# Altium PCB touch-2ch-v4.PcbDoc (part 3 of 8) (continued)
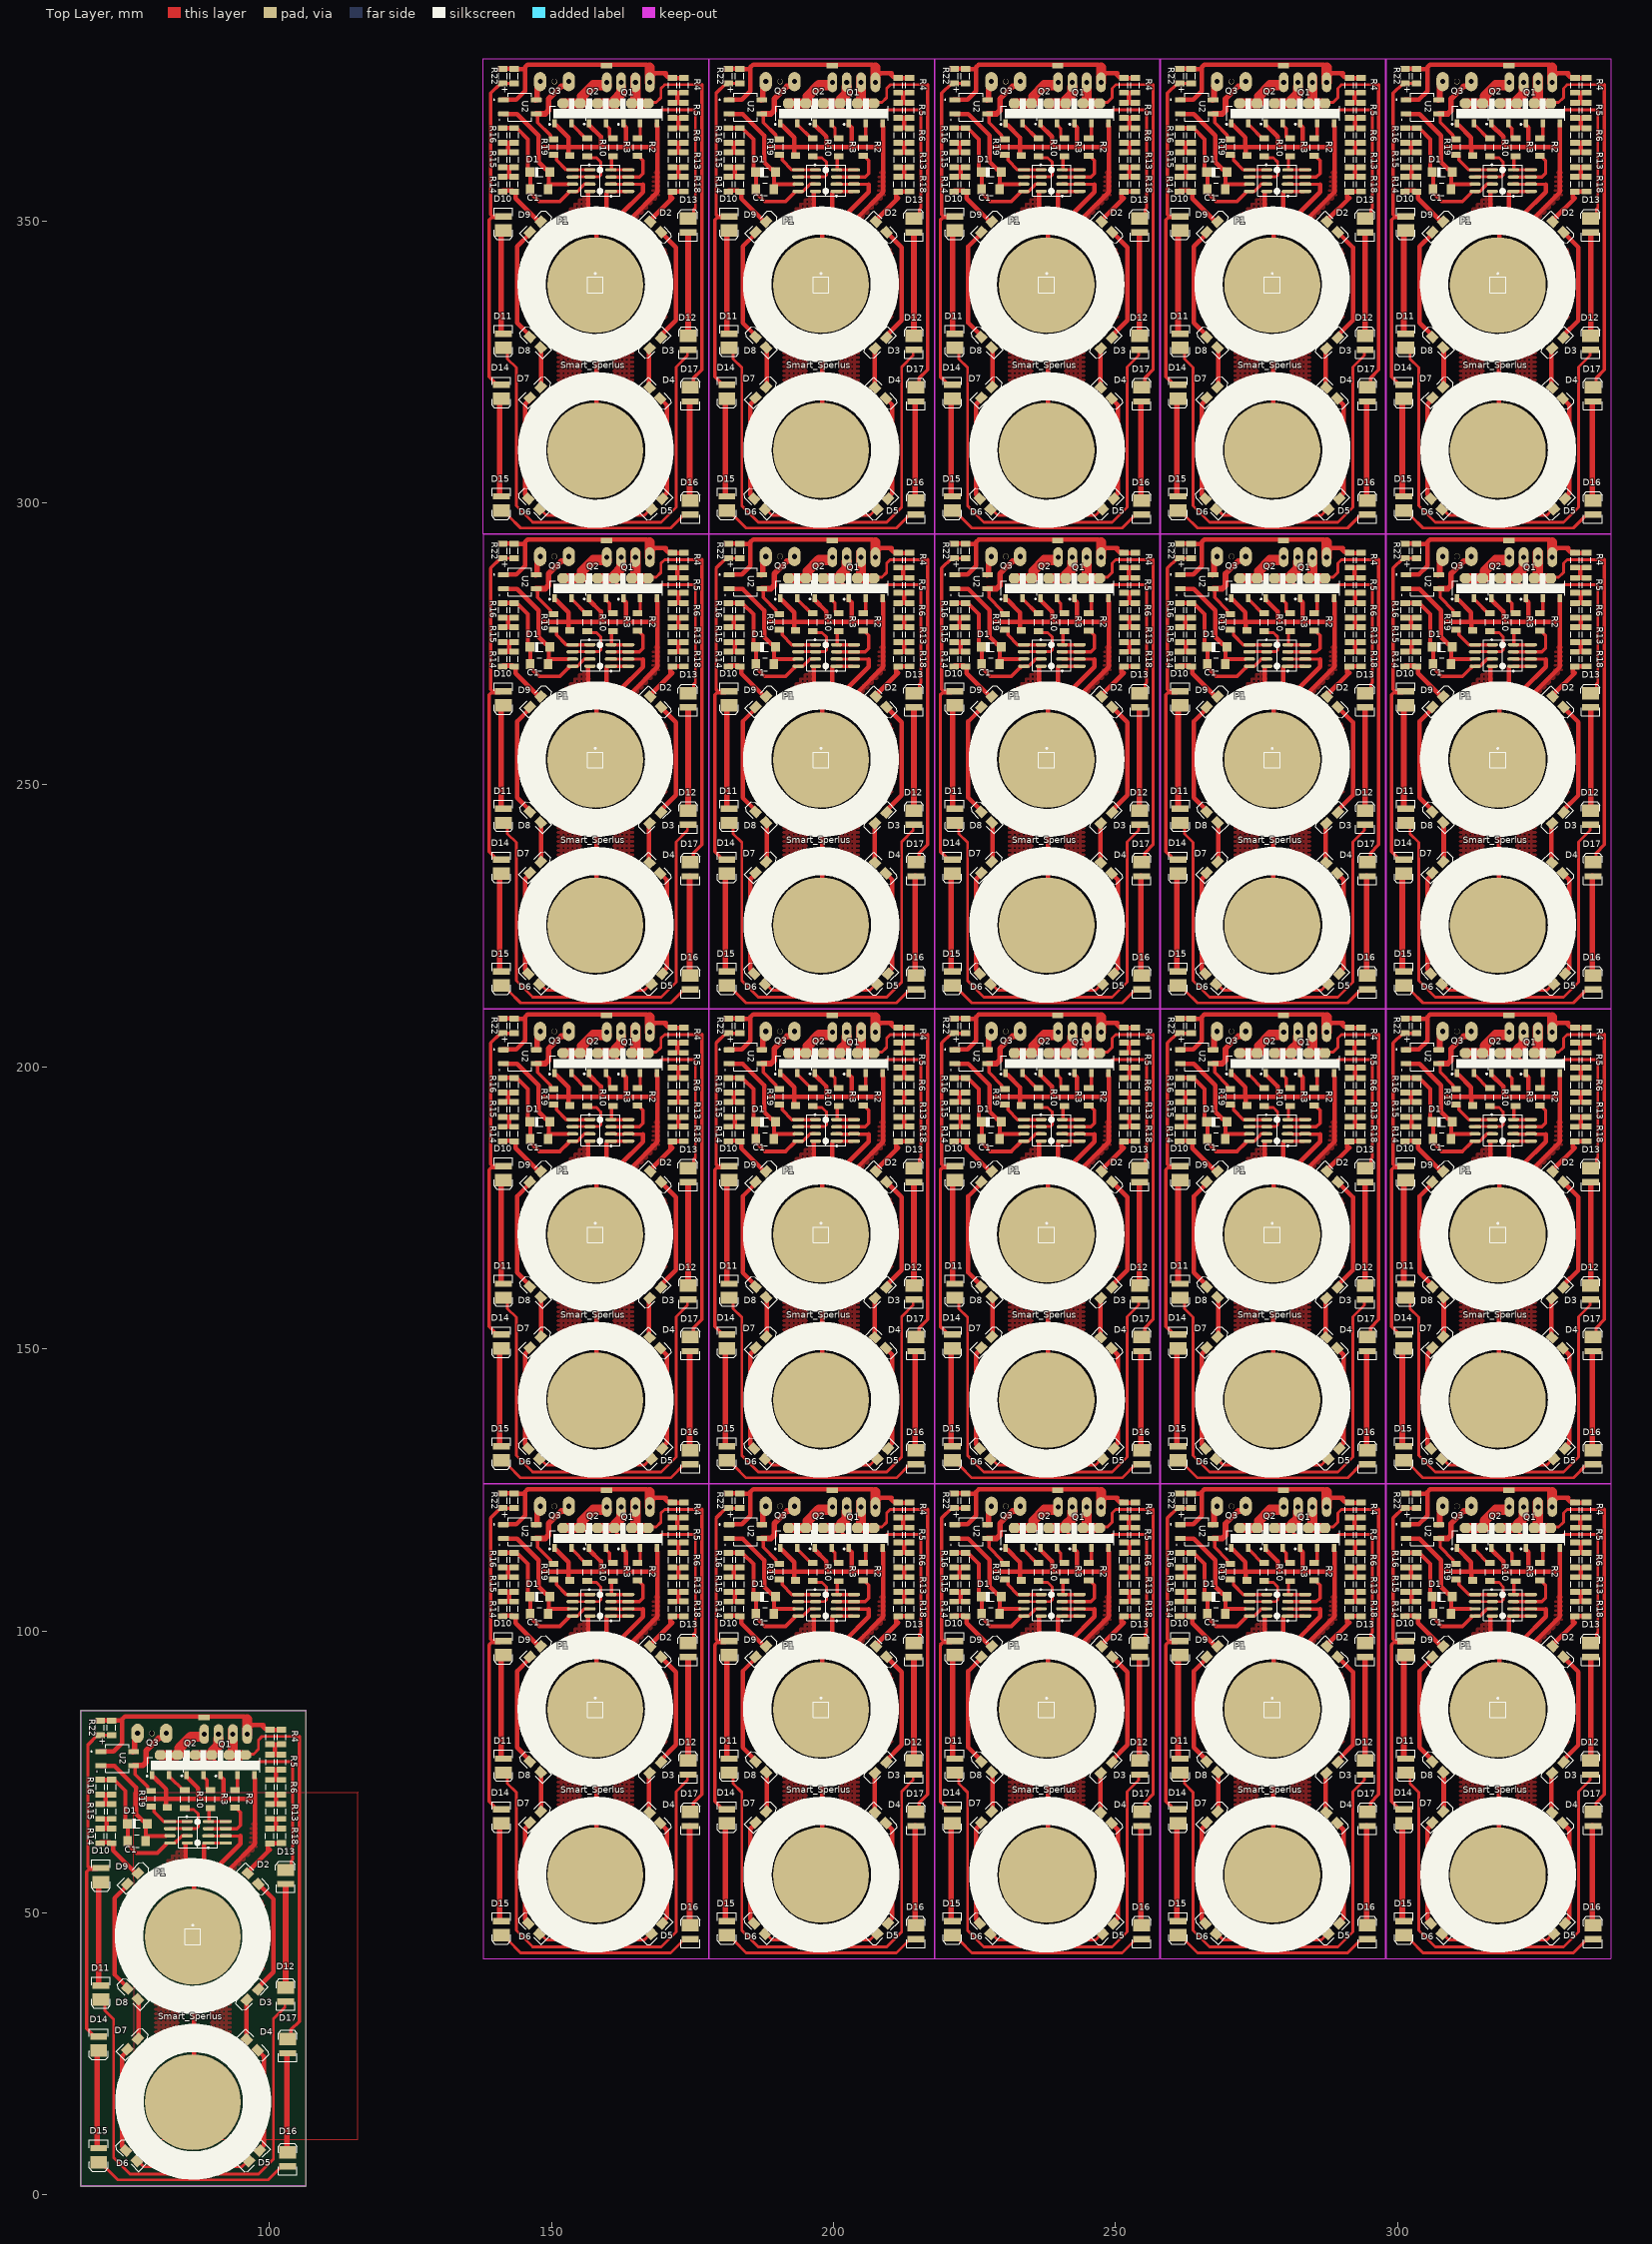
[diagram p0: Top Layer view]
## Nets (pads, with @x,y where several pads share a name; then routed paths per layer and width w, separated by ;. In a path a pad name is that pad's centre, name@x,y a point inside that pad or via, vN(x,y) a via of type N, cw(c..) or ccw(c..) an arc to the next point about the centre after c; other vN are vias at no path point) (continued)
Q2.2@278.162,370.837 Q2.2@318.162,118.237 Q2.2@318.162,202.437 Q2.2@318.162,286.637 Q2.2@318.162,370.837 Q2.3@159.662,114.703 Q2.3@159.662,198.903 Q2.3@159.662,283.103 Q2.3@159.662,367.303 Q2.3@199.662,114.703 Q2.3@199.662,198.903 Q2.3@199.662,283.103 Q2.3@199.662,367.303 Q2.3@239.661,114.703 Q2.3@239.661,198.903 Q2.3@239.661,283.103 Q2.3@239.661,367.303 Q2.3@279.662,114.703 Q2.3@279.662,198.903 Q2.3@279.662,283.103 Q2.3@279.662,367.303 Q2.3@319.661,114.703 Q2.3@319.661,198.903 Q2.3@319.661,283.103 Q2.3@319.661,367.303 Q3.1@150.542,114.682 Q3.1@150.542,198.881 Q3.1@150.542,283.081 Q3.1@150.542,367.281 Q3.1@190.542,114.682 Q3.1@190.542,198.881 Q3.1@190.542,283.081 Q3.1@190.542,367.281 Q3.1@230.541,114.682 Q3.1@230.541,198.881 Q3.1@230.541,283.081 Q3.1@230.541,367.281 Q3.1@270.542,114.682 Q3.1@270.542,198.881 Q3.1@270.542,283.081 Q3.1@270.542,367.281 Q3.1@310.541,114.682 Q3.1@310.541,198.881 Q3.1@310.541,283.081 Q3.1@310.541,367.281 Q3.2@152.042,118.237 Q3.2@152.042,202.437 Q3.2@152.042,286.637 Q3.2@152.042,370.837 Q3.2@192.042,118.237 Q3.2@192.042,202.437 Q3.2@192.042,286.637 Q3.2@192.042,370.837 Q3.2@232.042,118.237 Q3.2@232.042,202.437 Q3.2@232.042,286.637 Q3.2@232.042,370.837 Q3.2@272.042,118.237 Q3.2@272.042,202.437 Q3.2@272.042,286.637 Q3.2@272.042,370.837 Q3.2@312.042,118.237 Q3.2@312.042,202.437 Q3.2@312.042,286.637 Q3.2@312.042,370.837 Q3.3@153.542,114.682 Q3.3@153.542,198.881 Q3.3@153.542,283.081 Q3.3@153.542,367.281 Q3.3@193.542,114.682 Q3.3@193.542,198.881 Q3.3@193.542,283.081 Q3.3@193.542,367.281 Q3.3@233.541,114.682 Q3.3@233.541,198.881 Q3.3@233.541,283.081 Q3.3@233.541,367.281 Q3.3@273.542,114.682 Q3.3@273.542,198.881 Q3.3@273.542,283.081 Q3.3@273.542,367.281 Q3.3@313.541,114.682 Q3.3@313.541,198.881 Q3.3@313.541,283.081 Q3.3@313.541,367.281 R2.1@165.25,108.946 R2.1@165.25,193.146 R2.1@165.25,277.346 R2.1@165.25,361.545 R2.1@205.25,108.946 R2.1@205.25,193.146 R2.1@205.25,277.346 R2.1@205.25,361.545 R2.1@245.249,108.946 R2.1@245.249,193.146 R2.1@245.249,277.346 R2.1@245.249,361.545 R2.1@285.25,108.946 R2.1@285.25,193.146 R2.1@285.25,277.346 R2.1@285.25,361.545 R2.1@325.249,108.946 R2.1@325.249,193.146 R2.1@325.249,277.346 R2.1@325.249,361.545 R2.2@165.25,112.036 R2.2@165.25,196.236 R2.2@165.25,280.436 R2.2@165.25,364.636 R2.2@205.25,112.036 R2.2@205.25,196.236 R2.2@205.25,280.436 R2.2@205.25,364.636 R2.2@245.249,112.036 R2.2@245.249,196.236 R2.2@245.249,280.436 R2.2@245.249,364.636 R2.2@285.25,112.036 R2.2@285.25,196.236 R2.2@285.25,280.436 R2.2@285.25,364.636 R2.2@325.249,112.036 R2.2@325.249,196.236 R2.2@325.249,280.436 R2.2@325.249,364.636 R3.1@160.932,108.818 R3.1@160.932,193.018 R3.1@160.932,277.218 R3.1@160.932,361.418 R3.1@200.932,108.818 R3.1@200.932,193.018 R3.1@200.932,277.218 R3.1@200.932,361.418 R3.1@240.931,108.818 R3.1@240.931,193.018 R3.1@240.931,277.218 R3.1@240.931,361.418 R3.1@280.932,108.818 R3.1@280.932,193.018 R3.1@280.932,277.218 R3.1@280.932,361.418 R3.1@320.931,108.818 R3.1@320.931,193.018 R3.1@320.931,277.218 R3.1@320.931,361.418 R3.2@160.932,112.036 R3.2@160.932,196.236 R3.2@160.932,280.436 R3.2@160.932,364.636 R3.2@200.932,112.036 R3.2@200.932,196.236 R3.2@200.932,280.436 R3.2@200.932,364.636 R3.2@240.931,112.036 R3.2@240.931,196.236 R3.2@240.931,280.436 R3.2@240.931,364.636 R3.2@280.932,112.036 R3.2@280.932,196.236 R3.2@280.932,280.436 R3.2@280.932,364.636 R3.2@320.931,112.036 R3.2@320.931,196.236 R3.2@320.931,280.436 R3.2@320.931,364.636 R4.1@171.473,122.73 R4.1@171.473,206.93 R4.1@171.473,291.13 R4.1@171.473,375.33 R4.1@211.473,122.73 R4.1@211.473,206.93 R4.1@211.473,291.13 R4.1@211.473,375.33 R4.1@251.472,122.73 R4.1@251.472,206.93 R4.1@251.472,291.13 R4.1@251.472,375.33 R4.1@291.473,122.73 R4.1@291.473,206.93 R4.1@291.473,291.13 R4.1@291.473,375.33 R4.1@331.472,122.73 R4.1@331.472,206.93 R4.1@331.472,291.13 R4.1@331.472,375.33 R4.2@171.473,120.134 R4.2@171.473,204.334 R4.2@171.473,288.534 R4.2@171.473,372.734 R4.2@211.473,120.134 R4.2@211.473,204.334 R4.2@211.473,288.534 R4.2@211.473,372.734 R4.2@251.472,120.134 R4.2@251.472,204.334 R4.2@251.472,288.534 R4.2@251.472,372.734 R4.2@291.473,120.134 R4.2@291.473,204.334 R4.2@291.473,288.534 R4.2@291.473,372.734 R4.2@331.472,120.134 R4.2@331.472,204.334 R4.2@331.472,288.534 R4.2@331.472,372.734 R5.1@171.473,118.285 R5.1@171.473,202.485 R5.1@171.473,286.685 R5.1@171.473,370.885 R5.1@211.473,118.285 R5.1@211.473,202.485 R5.1@211.473,286.685 R5.1@211.473,370.885 R5.1@251.472,118.285 R5.1@251.472,202.485 R5.1@251.472,286.685 R5.1@251.472,370.885 R5.1@291.473,118.285 R5.1@291.473,202.485 R5.1@291.473,286.685 R5.1@291.473,370.885 R5.1@331.472,118.285 R5.1@331.472,202.485 R5.1@331.472,286.685 R5.1@331.472,370.885 R5.2@171.473,115.689 R5.2@171.473,199.889 R5.2@171.473,284.089 R5.2@171.473,368.289 R5.2@211.473,115.689 R5.2@211.473,199.889 R5.2@211.473,284.089 R5.2@211.473,368.289 R5.2@251.472,115.689 R5.2@251.472,199.889 R5.2@251.472,284.089 R5.2@251.472,368.289 R5.2@291.473,115.689 R5.2@291.473,199.889 R5.2@291.473,284.089 R5.2@291.473,368.289 R5.2@331.472,115.689 R5.2@331.472,199.889 R5.2@331.472,284.089 R5.2@331.472,368.289 R6.1@171.473,113.84 R6.1@171.473,198.04 R6.1@171.473,282.24 R6.1@171.473,366.44 R6.1@211.473,113.84 R6.1@211.473,198.04 R6.1@211.473,282.24 R6.1@211.473,366.44 R6.1@251.472,113.84 R6.1@251.472,198.04 R6.1@251.472,282.24 R6.1@251.472,366.44 R6.1@291.473,113.84 R6.1@291.473,198.04 R6.1@291.473,282.24 R6.1@291.473,366.44 R6.1@331.472,113.84 R6.1@331.472,198.04 R6.1@331.472,282.24 R6.1@331.472,366.44 R6.2@171.473,111.244 R6.2@171.473,195.444 R6.2@171.473,279.644 R6.2@171.473,363.844 R6.2@211.473,111.244 R6.2@211.473,195.444 R6.2@211.473,279.644 R6.2@211.473,363.844 R6.2@251.472,111.244 R6.2@251.472,195.444 R6.2@251.472,279.644 R6.2@251.472,363.844 R6.2@291.473,111.244 R6.2@291.473,195.444 R6.2@291.473,279.644 R6.2@291.473,363.844 R6.2@331.472,111.244 R6.2@331.472,195.444 R6.2@331.472,279.644 R6.2@331.472,363.844 R7.1@143.383,102.591 R7.1@143.383,186.791 R7.1@143.383,270.991 R7.1@143.383,355.191 R7.1@183.383,102.591 R7.1@183.383,186.791 R7.1@183.383,270.991 R7.1@183.383,355.191 R7.1@223.383,102.591 R7.1@223.383,186.791 R7.1@223.383,270.991 R7.1@223.383,355.191 R7.1@263.383,102.591 R7.1@263.383,186.791 R7.1@263.383,270.991 R7.1@263.383,355.191 R7.1@303.383,102.591 R7.1@303.383,186.791 R7.1@303.383,270.991 R7.1@303.383,355.191 R7.2@143.383,105.187 R7.2@143.383,189.387 R7.2@143.383,273.587 R7.2@143.383,357.787 R7.2@183.383,105.187 R7.2@183.383,189.387 R7.2@183.383,273.587 R7.2@183.383,357.787 R7.2@223.383,105.187 R7.2@223.383,189.387 R7.2@223.383,273.587 R7.2@223.383,357.787 R7.2@263.383,105.187 R7.2@263.383,189.387 R7.2@263.383,273.587 R7.2@263.383,357.787 R7.2@303.383,105.187 R7.2@303.383,189.387 R7.2@303.383,273.587 R7.2@303.383,357.787 R8.1@143.406,106.931 R8.1@143.406,191.131 R8.1@143.406,275.331 R8.1@143.406,359.531 R8.1@183.406,106.931 R8.1@183.406,191.131 R8.1@183.406,275.331 R8.1@183.406,359.531 R8.1@223.405,106.931 R8.1@223.405,191.131 R8.1@223.405,275.331 R8.1@223.405,359.531 R8.1@263.406,106.931 R8.1@263.406,191.131 R8.1@263.406,275.331 R8.1@263.406,359.531 R8.1@303.405,106.931 R8.1@303.405,191.131 R8.1@303.405,275.331 R8.1@303.405,359.531 R8.2@143.406,109.527 R8.2@143.406,193.727 R8.2@143.406,277.927 R8.2@143.406,362.127 R8.2@183.406,109.527 R8.2@183.406,193.727 R8.2@183.406,277.927 R8.2@183.406,362.127 R8.2@223.405,109.527 R8.2@223.405,193.727 R8.2@223.405,277.927 R8.2@223.405,362.127 R8.2@263.406,109.527 R8.2@263.406,193.727 R8.2@263.406,277.927 R8.2@263.406,362.127 R8.2@303.405,109.527 R8.2@303.405,193.727 R8.2@303.405,277.927 R8.2@303.405,362.127 R9.1@143.406,111.249 R9.1@143.406,195.449 R9.1@143.406,279.649 R9.1@143.406,363.849 R9.1@183.406,111.249 R9.1@183.406,195.449 R9.1@183.406,279.649 R9.1@183.406,363.849 R9.1@223.405,111.249 R9.1@223.405,195.449 R9.1@223.405,279.649 R9.1@223.405,363.849 R9.1@263.406,111.249 R9.1@263.406,195.449 R9.1@263.406,279.649 R9.1@263.406,363.849 R9.1@303.405,111.249 R9.1@303.405,195.449 R9.1@303.405,279.649 R9.1@303.405,363.849 R9.2@143.406,113.845 R9.2@143.406,198.045 R9.2@143.406,282.245 R9.2@143.406,366.445 R9.2@183.406,113.845 R9.2@183.406,198.045 R9.2@183.406,282.245 R9.2@183.406,366.445 R9.2@223.405,113.845 R9.2@223.405,198.045 R9.2@223.405,282.245 R9.2@223.405,366.445 R9.2@263.406,113.845 R9.2@263.406,198.045 R9.2@263.406,282.245 R9.2@263.406,366.445 R9.2@303.405,113.845 R9.2@303.405,198.045 R9.2@303.405,282.245 R9.2@303.405,366.445 R10.1@156.36,108.861 R10.1@156.36,193.061 R10.1@156.36,277.261 R10.1@156.36,361.461 R10.1@196.36,108.861 R10.1@196.36,193.061 R10.1@196.36,277.261 R10.1@196.36,361.461 R10.1@236.359,108.861 R10.1@236.359,193.061 R10.1@236.359,277.261 R10.1@236.359,361.461 R10.1@276.36,108.861 R10.1@276.36,193.061 R10.1@276.36,277.261 R10.1@276.36,361.461 R10.1@316.359,108.861 R10.1@316.359,193.061 R10.1@316.359,277.261 R10.1@316.359,361.461 R10.2@156.36,112.036 R10.2@156.36,196.236 R10.2@156.36,280.436 R10.2@156.36,364.636 R10.2@196.36,112.036 R10.2@196.36,196.236 R10.2@196.36,280.436 R10.2@196.36,364.636 R10.2@236.359,112.036 R10.2@236.359,196.236 R10.2@236.359,280.436 R10.2@236.359,364.636 R10.2@276.36,112.036 R10.2@276.36,196.236 R10.2@276.36,280.436 R10.2@276.36,364.636 R10.2@316.359,112.036 R10.2@316.359,196.236 R10.2@316.359,280.436 R10.2@316.359,364.636 R11.1@173.505,122.73 R11.1@173.505,206.93 R11.1@173.505,291.13 R11.1@173.505,375.33 R11.1@213.505,122.73 R11.1@213.505,206.93 R11.1@213.505,291.13 R11.1@213.505,375.33 R11.1@253.504,122.73 R11.1@253.504,206.93 R11.1@253.504,291.13 R11.1@253.504,375.33 R11.1@293.505,122.73 R11.1@293.505,206.93 R11.1@293.505,291.13 R11.1@293.505,375.33 R11.1@333.504,122.73 R11.1@333.504,206.93 R11.1@333.504,291.13 R11.1@333.504,375.33 R11.2@173.505,120.134 R11.2@173.505,204.334 R11.2@173.505,288.534 R11.2@173.505,372.734 R11.2@213.505,120.134 R11.2@213.505,204.334 R11.2@213.505,288.534 R11.2@213.505,372.734 R11.2@253.504,120.134 R11.2@253.504,204.334 R11.2@253.504,288.534 R11.2@253.504,372.734 R11.2@293.505,120.134 R11.2@293.505,204.334 R11.2@293.505,288.534 R11.2@293.505,372.734 R11.2@333.504,120.134 R11.2@333.504,204.334 R11.2@333.504,288.534 R11.2@333.504,372.734 R12.1@173.505,118.285 R12.1@173.505,202.485 R12.1@173.505,286.685 R12.1@173.505,370.885 R12.1@213.505,118.285 R12.1@213.505,202.485 R12.1@213.505,286.685 R12.1@213.505,370.885 R12.1@253.504,118.285 R12.1@253.504,202.485 R12.1@253.504,286.685 R12.1@253.504,370.885 R12.1@293.505,118.285 R12.1@293.505,202.485 R12.1@293.505,286.685 R12.1@293.505,370.885 R12.1@333.504,118.285 R12.1@333.504,202.485 R12.1@333.504,286.685 R12.1@333.504,370.885 R12.2@173.505,115.689 R12.2@173.505,199.889 R12.2@173.505,284.089 R12.2@173.505,368.289 R12.2@213.505,115.689 R12.2@213.505,199.889 R12.2@213.505,284.089 R12.2@213.505,368.289 R12.2@253.504,115.689 R12.2@253.504,199.889 R12.2@253.504,284.089 R12.2@253.504,368.289 R12.2@293.505,115.689 R12.2@293.505,199.889 R12.2@293.505,284.089 R12.2@293.505,368.289 R12.2@333.504,115.689 R12.2@333.504,199.889 R12.2@333.504,284.089 R12.2@333.504,368.289 R13.1@173.505,113.84 R13.1@173.505,198.04 R13.1@173.505,282.24 R13.1@173.505,366.44 R13.1@213.505,113.84 R13.1@213.505,198.04 R13.1@213.505,282.24 R13.1@213.505,366.44 R13.1@253.504,113.84 R13.1@253.504,198.04 R13.1@253.504,282.24 R13.1@253.504,366.44 R13.1@293.505,113.84 R13.1@293.505,198.04 R13.1@293.505,282.24 R13.1@293.505,366.44 R13.1@333.504,113.84 R13.1@333.504,198.04 R13.1@333.504,282.24 R13.1@333.504,366.44 R13.2@173.505,111.244 R13.2@173.505,195.444 R13.2@173.505,279.644 R13.2@173.505,363.844 R13.2@213.505,111.244 R13.2@213.505,195.444 R13.2@213.505,279.644 R13.2@213.505,363.844 R13.2@253.504,111.244 R13.2@253.504,195.444 R13.2@253.504,279.644 R13.2@253.504,363.844 R13.2@293.505,111.244 R13.2@293.505,195.444 R13.2@293.505,279.644 R13.2@293.505,363.844 R13.2@333.504,111.244 R13.2@333.504,195.444 R13.2@333.504,279.644 R13.2@333.504,363.844 R14.1@141.351,102.591 R14.1@141.351,186.791 R14.1@141.351,270.991 R14.1@141.351,355.191 R14.1@181.351,102.591 R14.1@181.351,186.791 R14.1@181.351,270.991 R14.1@181.351,355.191 R14.1@221.351,102.591 R14.1@221.351,186.791 R14.1@221.351,270.991 R14.1@221.351,355.191 R14.1@261.351,102.591 R14.1@261.351,186.791 R14.1@261.351,270.991 R14.1@261.351,355.191 R14.1@301.351,102.591 R14.1@301.351,186.791 R14.1@301.351,270.991 R14.1@301.351,355.191 R14.2@141.351,105.187 R14.2@141.351,189.387 R14.2@141.351,273.587 R14.2@141.351,357.787 R14.2@181.351,105.187 R14.2@181.351,189.387 R14.2@181.351,273.587 R14.2@181.351,357.787 R14.2@221.351,105.187 R14.2@221.351,189.387 R14.2@221.351,273.587 R14.2@221.351,357.787 R14.2@261.351,105.187 R14.2@261.351,189.387 R14.2@261.351,273.587 R14.2@261.351,357.787 R14.2@301.351,105.187 R14.2@301.351,189.387 R14.2@301.351,273.587 R14.2@301.351,357.787 R15.1@141.374,106.931 R15.1@141.374,191.131 R15.1@141.374,275.331 R15.1@141.374,359.531 R15.1@181.374,106.931 R15.1@181.374,191.131 R15.1@181.374,275.331 R15.1@181.374,359.531 R15.1@221.373,106.931 R15.1@221.373,191.131 R15.1@221.373,275.331 R15.1@221.373,359.531 R15.1@261.374,106.931 R15.1@261.374,191.131 R15.1@261.374,275.331 R15.1@261.374,359.531 R15.1@301.373,106.931 R15.1@301.373,191.131 R15.1@301.373,275.331 R15.1@301.373,359.531 R15.2@141.374,109.527 R15.2@141.374,193.727 R15.2@141.374,277.927 R15.2@141.374,362.127 R15.2@181.374,109.527 R15.2@181.374,193.727 R15.2@181.374,277.927 R15.2@181.374,362.127 R15.2@221.373,109.527 R15.2@221.373,193.727 R15.2@221.373,277.927 R15.2@221.373,362.127 R15.2@261.374,109.527 R15.2@261.374,193.727 R15.2@261.374,277.927 R15.2@261.374,362.127 R15.2@301.373,109.527 R15.2@301.373,193.727 R15.2@301.373,277.927 R15.2@301.373,362.127 R16.1@141.374,111.249 R16.1@141.374,195.449 R16.1@141.374,279.649 R16.1@141.374,363.849 R16.1@181.374,111.249 R16.1@181.374,195.449 R16.1@181.374,279.649 R16.1@181.374,363.849 R16.1@221.373,111.249 R16.1@221.373,195.449 R16.1@221.373,279.649 R16.1@221.373,363.849 R16.1@261.374,111.249 R16.1@261.374,195.449 R16.1@261.374,279.649 R16.1@261.374,363.849 R16.1@301.373,111.249 R16.1@301.373,195.449 R16.1@301.373,279.649 R16.1@301.373,363.849 R16.2@141.374,113.845 R16.2@141.374,198.045 R16.2@141.374,282.245 R16.2@141.374,366.445 R16.2@181.374,113.845 R16.2@181.374,198.045 R16.2@181.374,282.245 R16.2@181.374,366.445 R16.2@221.373,113.845 R16.2@221.373,198.045 R16.2@221.373,282.245 R16.2@221.373,366.445 R16.2@261.374,113.845 R16.2@261.374,198.045 R16.2@261.374,282.245 R16.2@261.374,366.445 R16.2@301.373,113.845 R16.2@301.373,198.045 R16.2@301.373,282.245 R16.2@301.373,366.445 R17.1@171.473,109.522 R17.1@171.473,193.722 R17.1@171.473,277.922 R17.1@171.473,362.122 R17.1@211.473,109.522 R17.1@211.473,193.722 R17.1@211.473,277.922 R17.1@211.473,362.122 R17.1@251.472,109.522 R17.1@251.472,193.722 R17.1@251.472,277.922 R17.1@251.472,362.122 R17.1@291.473,109.522 R17.1@291.473,193.722 R17.1@291.473,277.922 R17.1@291.473,362.122 R17.1@331.472,109.522 R17.1@331.472,193.722 R17.1@331.472,277.922 R17.1@331.472,362.122 R17.2@171.473,106.926 R17.2@171.473,191.126 R17.2@171.473,275.326 R17.2@171.473,359.526 R17.2@211.473,106.926 R17.2@211.473,191.126 R17.2@211.473,275.326 R17.2@211.473,359.526 R17.2@251.472,106.926 R17.2@251.472,191.126 R17.2@251.472,275.326 R17.2@251.472,359.526 R17.2@291.473,106.926 R17.2@291.473,191.126 R17.2@291.473,275.326 R17.2@291.473,359.526 R17.2@331.472,106.926 R17.2@331.472,191.126 R17.2@331.472,275.326 R17.2@331.472,359.526 R18.1@171.45,105.181 R18.1@171.45,189.381 R18.1@171.45,273.581 R18.1@171.45,357.781 R18.1@211.45,105.181 R18.1@211.45,189.381 R18.1@211.45,273.581 R18.1@211.45,357.781 R18.1@251.45,105.181 R18.1@251.45,189.381 R18.1@251.45,273.581 R18.1@251.45,357.781 R18.1@291.45,105.181 R18.1@291.45,189.381 R18.1@291.45,273.581 R18.1@291.45,357.781 R18.1@331.45,105.181 R18.1@331.45,189.381 R18.1@331.45,273.581 R18.1@331.45,357.781 R18.2@171.45,102.585 R18.2@171.45,186.785 R18.2@171.45,270.985 R18.2@171.45,355.185 R18.2@211.45,102.585 R18.2@211.45,186.785 R18.2@211.45,270.985 R18.2@211.45,355.185 R18.2@251.45,102.585 R18.2@251.45,186.785 R18.2@251.45,270.985 R18.2@251.45,355.185 R18.2@291.45,102.585 R18.2@291.45,186.785 R18.2@291.45,270.985 R18.2@291.45,355.185 R18.2@331.45,102.585 R18.2@331.45,186.785 R18.2@331.45,270.985 R18.2@331.45,355.185 R19.1@150.368,111.887 R19.1@150.368,196.087 R19.1@150.368,280.287 R19.1@150.368,364.487 R19.1@190.368,111.887 R19.1@190.368,196.087 R19.1@190.368,280.287 R19.1@190.368,364.487 R19.1@230.368,111.887 R19.1@230.368,196.087 R19.1@230.368,280.287 R19.1@230.368,364.487 R19.1@270.368,111.887 R19.1@270.368,196.087 R19.1@270.368,280.287 R19.1@270.368,364.487 R19.1@310.368,111.887 R19.1@310.368,196.087 R19.1@310.368,280.287 R19.1@310.368,364.487 R19.2@150.368,109.093 R19.2@150.368,193.293 R19.2@150.368,277.493 R19.2@150.368,361.693 R19.2@190.368,109.093 R19.2@190.368,193.293 R19.2@190.368,277.493 R19.2@190.368,361.693 R19.2@230.368,109.093 R19.2@230.368,193.293 R19.2@230.368,277.493 R19.2@230.368,361.693 R19.2@270.368,109.093 R19.2@270.368,193.293 R19.2@270.368,277.493 R19.2@270.368,361.693 R19.2@310.368,109.093 R19.2@310.368,193.293 R19.2@310.368,277.493 R19.2@310.368,361.693 R20.1@173.505,109.522 R20.1@173.505,193.722 R20.1@173.505,277.922 R20.1@173.505,362.122 R20.1@213.505,109.522 R20.1@213.505,193.722 R20.1@213.505,277.922 R20.1@213.505,362.122 R20.1@253.504,109.522 R20.1@253.504,193.722 R20.1@253.504,277.922 R20.1@253.504,362.122 R20.1@293.505,109.522 R20.1@293.505,193.722 R20.1@293.505,277.922 R20.1@293.505,362.122 R20.1@333.504,109.522 R20.1@333.504,193.722 R20.1@333.504,277.922 R20.1@333.504,362.122 R20.2@173.505,106.926 R20.2@173.505,191.126 R20.2@173.505,275.326 R20.2@173.505,359.526 R20.2@213.505,106.926 R20.2@213.505,191.126 R20.2@213.505,275.326 R20.2@213.505,359.526 R20.2@253.504,106.926 R20.2@253.504,191.126 R20.2@253.504,275.326 R20.2@253.504,359.526 R20.2@293.505,106.926 R20.2@293.505,191.126 R20.2@293.505,275.326 R20.2@293.505,359.526 R20.2@333.504,106.926 R20.2@333.504,191.126 R20.2@333.504,275.326 R20.2@333.504,359.526 R21.1@173.505,105.204 R21.1@173.505,189.404 R21.1@173.505,273.604 R21.1@173.505,357.804 R21.1@213.505,105.204 R21.1@213.505,189.404 R21.1@213.505,273.604 R21.1@213.505,357.804 R21.1@253.504,105.204 R21.1@253.504,189.404 R21.1@253.504,273.604 R21.1@253.504,357.804 R21.1@293.505,105.204 R21.1@293.505,189.404 R21.1@293.505,273.604 R21.1@293.505,357.804 R21.1@333.504,105.204 R21.1@333.504,189.404 R21.1@333.504,273.604 R21.1@333.504,357.804 R21.2@173.505,102.608 R21.2@173.505,186.808 R21.2@173.505,271.008 R21.2@173.505,355.208 R21.2@213.505,102.608 R21.2@213.505,186.808 R21.2@213.505,271.008 R21.2@213.505,355.208 R21.2@253.504,102.608 R21.2@253.504,186.808 R21.2@253.504,271.008 R21.2@253.504,355.208 R21.2@293.505,102.608 R21.2@293.505,186.808 R21.2@293.505,271.008 R21.2@293.505,355.208 R21.2@333.504,102.608 R21.2@333.504,186.808 R21.2@333.504,271.008 R21.2@333.504,355.208 R22.1@141.351,121.768 R22.1@141.351,205.968 R22.1@141.351,290.168 R22.1@141.351,374.368 R22.1@181.351,121.768 R22.1@181.351,205.968 R22.1@181.351,290.168 R22.1@181.351,374.368 R22.1@221.351,121.768 R22.1@221.351,205.968 R22.1@221.351,290.168 R22.1@221.351,374.368 R22.1@261.351,121.768 R22.1@261.351,205.968 R22.1@261.351,290.168 R22.1@261.351,374.368 R22.1@301.351,121.768 R22.1@301.351,205.968 R22.1@301.351,290.168 R22.1@301.351,374.368 R22.2@141.351,124.364 R22.2@141.351,208.564 R22.2@141.351,292.764 R22.2@141.351,376.964 R22.2@181.351,124.364 R22.2@181.351,208.564 R22.2@181.351,292.764 R22.2@181.351,376.964 R22.2@221.351,124.364 R22.2@221.351,208.564 R22.2@221.351,292.764 R22.2@221.351,376.964 R22.2@261.351,124.364 R22.2@261.351,208.564 R22.2@261.351,292.764 R22.2@261.351,376.964 R22.2@301.351,124.364 R22.2@301.351,208.564 R22.2@301.351,292.764 R22.2@301.351,376.964 R23.1@143.383,121.768 R23.1@143.383,205.968 R23.1@143.383,290.168 R23.1@143.383,374.368 R23.1@183.383,121.768 R23.1@183.383,205.968 R23.1@183.383,290.168 R23.1@183.383,374.368 R23.1@223.383,121.768 R23.1@223.383,205.968 R23.1@223.383,290.168 R23.1@223.383,374.368 R23.1@263.383,121.768 R23.1@263.383,205.968 R23.1@263.383,290.168 R23.1@263.383,374.368 R23.1@303.383,121.768 R23.1@303.383,205.968 R23.1@303.383,290.168 R23.1@303.383,374.368 R23.2@143.383,124.364 R23.2@143.383,208.564 R23.2@143.383,292.764 R23.2@143.383,376.964 R23.2@183.383,124.364 R23.2@183.383,208.564 R23.2@183.383,292.764 R23.2@183.383,376.964 R23.2@223.383,124.364 R23.2@223.383,208.564 R23.2@223.383,292.764 R23.2@223.383,376.964 R23.2@263.383,124.364 R23.2@263.383,208.564 R23.2@263.383,292.764 R23.2@263.383,376.964 R23.2@303.383,124.364 R23.2@303.383,208.564 R23.2@303.383,292.764 R23.2@303.383,376.964 U1.1@160.551,102.638 U1.1@160.551,186.838 U1.1@160.551,271.038 U1.1@160.551,355.238 U1.1@200.551,102.638 U1.1@200.551,186.838 U1.1@200.551,271.038 U1.1@200.551,355.238 U1.1@240.55,102.638 U1.1@240.55,186.838 U1.1@240.55,271.038 U1.1@240.55,355.238 U1.1@280.551,102.638 U1.1@280.551,186.838 U1.1@280.551,271.038 U1.1@280.551,355.238 U1.1@320.55,102.638 U1.1@320.55,186.838 U1.1@320.55,271.038 U1.1@320.55,355.238 U1.2@160.551,103.908 U1.2@160.551,188.108 U1.2@160.551,272.308 U1.2@160.551,356.508 U1.2@200.551,103.908 U1.2@200.551,188.108 U1.2@200.551,272.308 U1.2@200.551,356.508 U1.2@240.55,103.908 U1.2@240.55,188.108 U1.2@240.55,272.308 U1.2@240.55,356.508 U1.2@280.551,103.908 U1.2@280.551,188.108 U1.2@280.551,272.308 U1.2@280.551,356.508 U1.2@320.55,103.908 U1.2@320.55,188.108 U1.2@320.55,272.308 U1.2@320.55,356.508 U1.3@160.551,105.178 U1.3@160.551,189.378 U1.3@160.551,273.578 U1.3@160.551,357.778 U1.3@200.551,105.178 U1.3@200.551,189.378 U1.3@200.551,273.578 U1.3@200.551,357.778 U1.3@240.55,105.178 U1.3@240.55,189.378 U1.3@240.55,273.578 U1.3@240.55,357.778 U1.3@280.551,105.178 U1.3@280.551,189.378 U1.3@280.551,273.578 U1.3@280.551,357.778 U1.3@320.55,105.178 U1.3@320.55,189.378 U1.3@320.55,273.578 U1.3@320.55,357.778 U1.4@160.551,106.448 U1.4@160.551,190.648 U1.4@160.551,274.848 U1.4@160.551,359.048 U1.4@200.551,106.448 U1.4@200.551,190.648 U1.4@200.551,274.848 U1.4@200.551,359.048 U1.4@240.55,106.448 U1.4@240.55,190.648 U1.4@240.55,274.848 U1.4@240.55,359.048 U1.4@280.551,106.448 U1.4@280.551,190.648 U1.4@280.551,274.848 U1.4@280.551,359.048 U1.4@320.55,106.448 U1.4@320.55,190.648 U1.4@320.55,274.848 U1.4@320.55,359.048 U1.5@153.751,106.448 U1.5@153.751,190.648 U1.5@153.751,274.848 U1.5@153.751,359.048 U1.5@193.751,106.448 U1.5@193.751,190.648 U1.5@193.751,274.848 U1.5@193.751,359.048 U1.5@233.751,106.448 U1.5@233.751,190.648 U1.5@233.751,274.848 U1.5@233.751,359.048 U1.5@273.751,106.448 U1.5@273.751,190.648 U1.5@273.751,274.848 U1.5@273.751,359.048 U1.5@313.75,106.448 U1.5@313.75,190.648 U1.5@313.75,274.848 U1.5@313.75,359.048 U1.6@153.751,105.178 U1.6@153.751,189.378 U1.6@153.751,273.578 U1.6@153.751,357.778 U1.6@193.751,105.178 U1.6@193.751,189.378 U1.6@193.751,273.578 U1.6@193.751,357.778 U1.6@233.751,105.178 U1.6@233.751,189.378 U1.6@233.751,273.578 U1.6@233.751,357.778 U1.6@273.751,105.178 U1.6@273.751,189.378 U1.6@273.751,273.578 U1.6@273.751,357.778 U1.6@313.75,105.178 U1.6@313.75,189.378 U1.6@313.75,273.578 U1.6@313.75,357.778 U1.7@153.751,103.908 U1.7@153.751,188.108 U1.7@153.751,272.308 U1.7@153.751,356.508 U1.7@193.751,103.908 U1.7@193.751,188.108 U1.7@193.751,272.308 U1.7@193.751,356.508 U1.7@233.751,103.908 U1.7@233.751,188.108 U1.7@233.751,272.308 U1.7@233.751,356.508 U1.7@273.751,103.908 U1.7@273.751,188.108 U1.7@273.751,272.308 U1.7@273.751,356.508 U1.7@313.75,103.908 U1.7@313.75,188.108 U1.7@313.75,272.308 U1.7@313.75,356.508 U1.8@153.751,102.638 U1.8@153.751,186.838 U1.8@153.751,271.038 U1.8@153.751,355.238 U1.8@193.751,102.638 U1.8@193.751,186.838 U1.8@193.751,271.038 U1.8@193.751,355.238 U1.8@233.751,102.638 U1.8@233.751,186.838 U1.8@233.751,271.038 U1.8@233.751,355.238 U1.8@273.751,102.638 U1.8@273.751,186.838 U1.8@273.751,271.038 U1.8@273.751,355.238 U1.8@313.75,102.638 U1.8@313.75,186.838 U1.8@313.75,271.038 U1.8@313.75,355.238 U2.1@141.499,118.827 U2.1@141.499,203.027 U2.1@141.499,287.227 U2.1@141.499,371.427 U2.1@181.499,118.827 U2.1@181.499,203.027 U2.1@181.499,287.227 U2.1@181.499,371.427 U2.1@221.499,118.827 U2.1@221.499,203.027 U2.1@221.499,287.227 U2.1@221.499,371.427 U2.1@261.499,118.827 U2.1@261.499,203.027 U2.1@261.499,287.227 U2.1@261.499,371.427 U2.1@301.499,118.827 U2.1@301.499,203.027 U2.1@301.499,287.227 U2.1@301.499,371.427 U2.2@141.499,116.377 U2.2@141.499,200.577 U2.2@141.499,284.777 U2.2@141.499,368.977 U2.2@181.499,116.377 U2.2@181.499,200.577 U2.2@181.499,284.777 U2.2@181.499,368.977 U2.2@221.499,116.377 U2.2@221.499,200.577 U2.2@221.499,284.777 U2.2@221.499,368.977 U2.2@261.499,116.377 U2.2@261.499,200.577 U2.2@261.499,284.777 U2.2@261.499,368.977 U2.2@301.499,116.377 U2.2@301.499,200.577 U2.2@301.499,284.777 U2.2@301.499,368.977 U2.3@147.299,116.377 U2.3@147.299,200.577 U2.3@147.299,284.777 U2.3@147.299,368.977 U2.3@187.299,116.377 U2.3@187.299,200.577 U2.3@187.299,284.777 U2.3@187.299,368.977 U2.3@227.299,116.377 U2.3@227.299,200.577 U2.3@227.299,284.777 U2.3@227.299,368.977 U2.3@267.299,116.377 U2.3@267.299,200.577 U2.3@267.299,284.777 U2.3@267.299,368.977 U2.3@307.299,116.377 U2.3@307.299,200.577 U2.3@307.299,284.777 U2.3@307.299,368.977 U2.4@147.299,118.827 U2.4@147.299,203.027 U2.4@147.299,287.227 U2.4@147.299,371.427 U2.4@187.299,118.827 U2.4@187.299,203.027 U2.4@187.299,287.227 U2.4@187.299,371.427 U2.4@227.299,118.827 U2.4@227.299,203.027 U2.4@227.299,287.227 U2.4@227.299,371.427 U2.4@267.299,118.827 U2.4@267.299,203.027 U2.4@267.299,287.227 U2.4@267.299,371.427 U2.4@307.299,118.827 U2.4@307.299,203.027 U2.4@307.299,287.227 U2.4@307.299,371.427 U3.1@163.628,102.638 U3.1@163.628,186.838 U3.1@163.628,271.038 U3.1@163.628,355.238 U3.1@203.628,102.638 U3.1@203.628,186.838 U3.1@203.628,271.038 U3.1@203.628,355.238 U3.1@243.628,102.638 U3.1@243.628,186.838 U3.1@243.628,271.038 U3.1@243.628,355.238 U3.1@283.628,102.638 U3.1@283.628,186.838 U3.1@283.628,271.038 U3.1@283.628,355.238 U3.1@323.627,102.638 U3.1@323.627,186.838 U3.1@323.627,271.038 U3.1@323.627,355.238 U3.2@163.628,103.908 U3.2@163.628,188.108 U3.2@163.628,272.308 U3.2@163.628,356.508 U3.2@203.628,103.908 U3.2@203.628,188.108 U3.2@203.628,272.308 U3.2@203.628,356.508 U3.2@243.628,103.908 U3.2@243.628,188.108 U3.2@243.628,272.308 U3.2@243.628,356.508 U3.2@283.628,103.908 U3.2@283.628,188.108 U3.2@283.628,272.308 U3.2@283.628,356.508 U3.2@323.627,103.908 U3.2@323.627,188.108 U3.2@323.627,272.308 U3.2@323.627,356.508 U3.3@163.628,105.178 U3.3@163.628,189.378 U3.3@163.628,273.578 U3.3@163.628,357.778 U3.3@203.628,105.178 U3.3@203.628,189.378 U3.3@203.628,273.578 U3.3@203.628,357.778 U3.3@243.628,105.178 U3.3@243.628,189.378 U3.3@243.628,273.578 U3.3@243.628,357.778 U3.3@283.628,105.178 U3.3@283.628,189.378 U3.3@283.628,273.578 U3.3@283.628,357.778 U3.3@323.627,105.178 U3.3@323.627,189.378 U3.3@323.627,273.578 U3.3@323.627,357.778 U3.4@163.628,106.448 U3.4@163.628,190.648 U3.4@163.628,274.848 U3.4@163.628,359.048 U3.4@203.628,106.448 U3.4@203.628,190.648 U3.4@203.628,274.848 U3.4@203.628,359.048 U3.4@243.628,106.448 U3.4@243.628,190.648 U3.4@243.628,274.848 U3.4@243.628,359.048 U3.4@283.628,106.448 U3.4@283.628,190.648 U3.4@283.628,274.848 U3.4@283.628,359.048 U3.4@323.627,106.448 U3.4@323.627,190.648 U3.4@323.627,274.848 U3.4@323.627,359.048 U3.5@156.828,106.448 U3.5@156.828,190.648 U3.5@156.828,274.848 U3.5@156.828,359.048 U3.5@196.828,106.448 U3.5@196.828,190.648 U3.5@196.828,274.848 U3.5@196.828,359.048 U3.5@236.828,106.448 U3.5@236.828,190.648 U3.5@236.828,274.848 U3.5@236.828,359.048 U3.5@276.828,106.448 U3.5@276.828,190.648 U3.5@276.828,274.848 U3.5@276.828,359.048 U3.5@316.827,106.448 U3.5@316.827,190.648 U3.5@316.827,274.848 U3.5@316.827,359.048 U3.6@156.828,105.178 U3.6@156.828,189.378 U3.6@156.828,273.578 U3.6@156.828,357.778 U3.6@196.828,105.178 U3.6@196.828,189.378 U3.6@196.828,273.578 U3.6@196.828,357.778 U3.6@236.828,105.178 U3.6@236.828,189.378 U3.6@236.828,273.578